# Allegro board RK_EVB7_RK3588_LP4XD200P232SD8_V11_20230111YWQ.brd (continued)
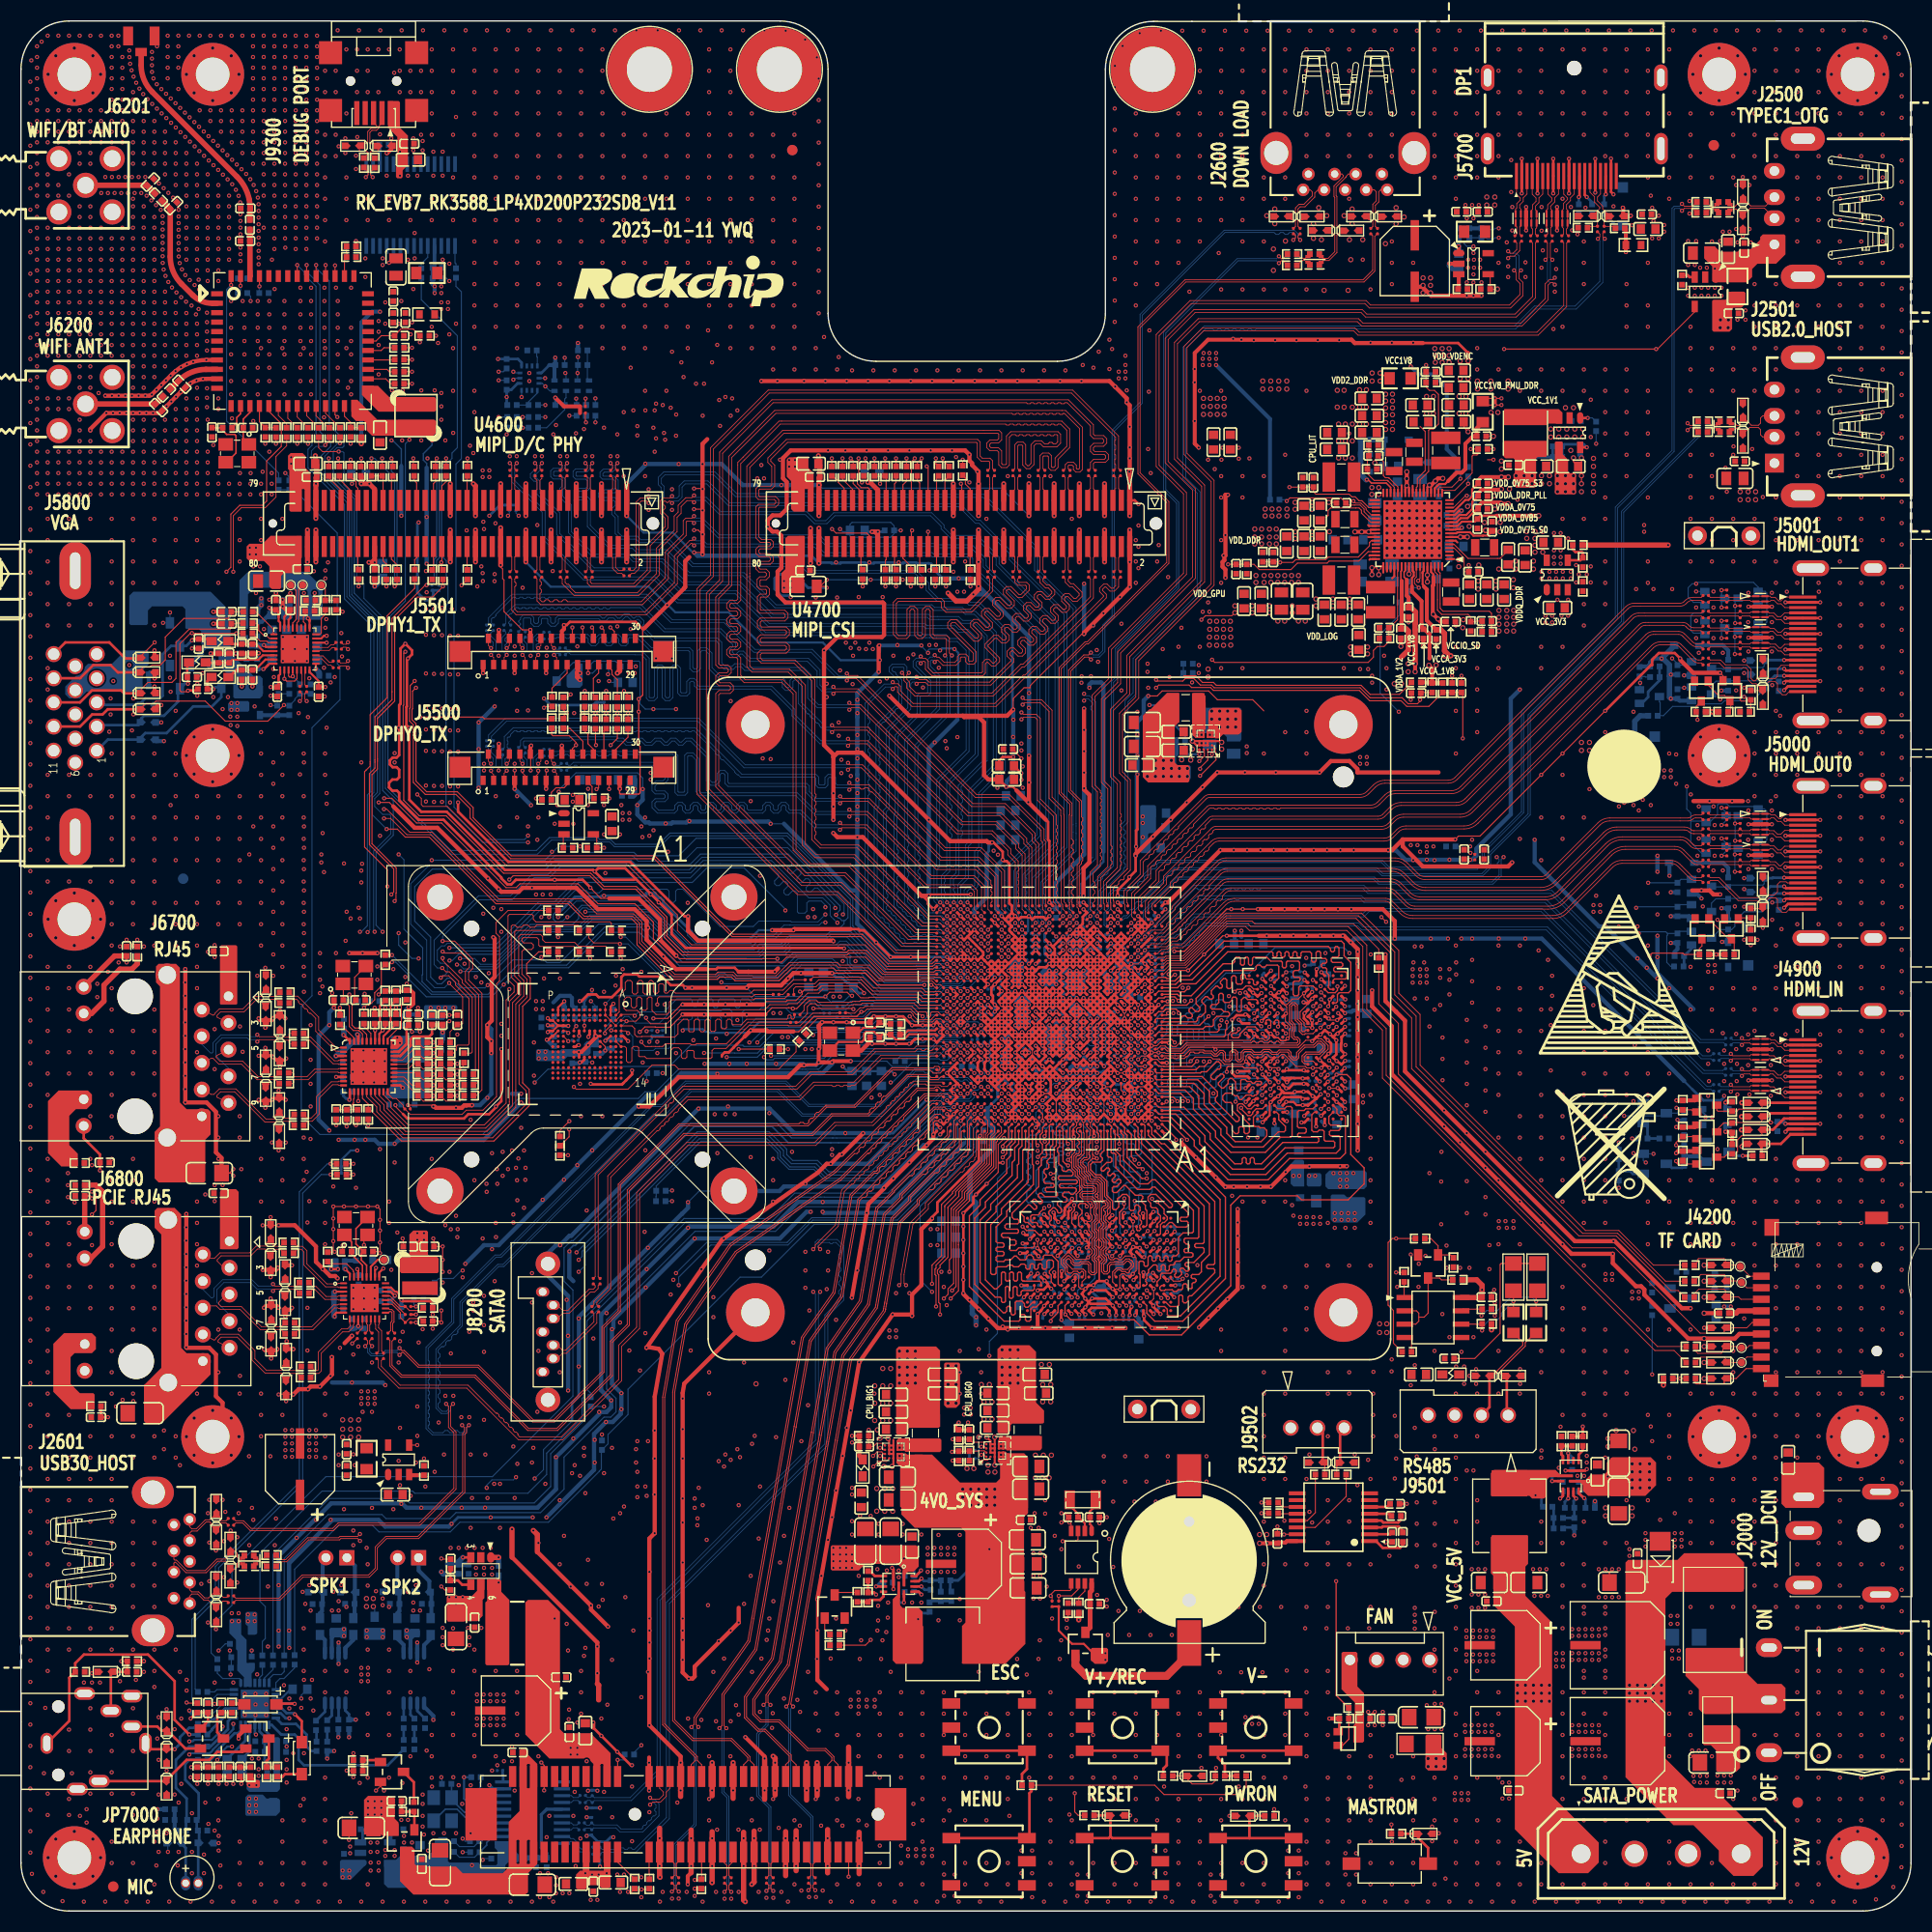
[diagram p0: board, top side]
## Routing (per net, layer and track width the routed paths; a pad name or vN(x,y) marks a point on that pad's centre or on a via; arc(x,y) is an arc through that point) (continued)
v1(146.81,30.99) v1(146.81,28.96) v1(146.81,26.92) v1(146.81,20.83) v1(146.81,18.8) v1(146.81,16.76) v1(146.81,14.73) v1(146.81,12.7) v1(146.81,10.67) v1(146.81,2.54) v1(147.17,179.09) v1(147.35,130.72) v1(147.35,124.88) v1(147.35,123.36) v1(147.61,162.29) v1(147.6,127.55) v1(147.6,126.91) v1(147.73,160.06) v1(147.73,26.84) v1(147.73,26.2) v1(147.73,24.55) v1(147.73,23.92) v1(147.73,17.69) v1(147.73,17.06) v1(147.73,15.41) v1(147.73,14.77) v1(148.11,128.18) v1(148.11,126.53) v1(148.23,159.68) v1(148.23,41.44) v1(148.23,0.89) v1(148.36,127.29) v1(148.36,26.84) v1(148.36,26.2) v1(148.36,24.55) v1(148.36,23.92) v1(148.36,17.69) v1(148.36,17.06) v1(148.36,15.41) v1(148.36,14.77) v1(148.84,177.29) v1(148.84,173.23) v1(148.84,171.2) v1(148.84,169.16) v1(148.84,159) v1(148.84,156.97) v1(148.84,154.94) v1(148.84,146.81) v1(148.84,144.78) v1(148.84,132.59) v1(148.84,124.46) v1(148.84,122.43) v1(148.84,104.14) v1(148.84,87.88) v1(148.84,85.85) v1(148.84,83.82) v1(148.84,81.79) v1(148.84,79.76) v1(148.84,77.72) v1(148.84,75.69) v1(148.84,73.66) v1(148.84,71.63) v1(148.84,69.6) v1(148.84,67.56) v1(148.84,65.53) v1(148.84,61.47) v1(148.84,57.4) v1(148.84,55.37) v1(148.84,53.34) v1(148.84,51.31) v1(148.84,49.28) v1(148.84,47.24) v1(148.87,41.44) v1(148.84,37.08) v1(148.84,33.02) v1(148.84,30.99) v1(148.84,28.96) v1(148.84,28.32) v1(148.84,22.86) v1(148.84,22.23) v1(148.84,20.83) v1(148.84,18.8) v1(148.84,12.7) v1(148.84,10.67) v1(148.84,8.64) v1(148.84,2.54) v1(149,162.22) v1(149,26.84) v1(149,26.2) v1(149,24.55) v1(149,23.92) v1(149,17.69) v1(149,17.06) v1(149,15.41) v1(149,14.77) v1(149.12,127.29) v1(149.12,43.35) v1(149.12,42.71) v1(149.2,179.09) v1(149.5,143.93) v1(149.5,140.38) v1(149.5,128.06) v1(149.5,126.53) v1(149.63,26.84) v1(149.63,26.2) v1(149.63,24.55) v1(149.63,23.92) v1(149.63,17.69) v1(149.63,17.06) v1(149.63,15.41) v1(149.63,14.77) v1(149.74,86.27) v1(150.01,96.69) v1(150.27,32.55) v1(150.27,29.89) v1(150.27,26.84) v1(150.27,26.2) v1(150.27,24.55) v1(150.27,23.92) v1(150.27,17.69) v1(150.27,17.06) v1(150.27,15.41) v1(150.27,14.77) v1(150.26,0.89) v1(150.88,177.29) v1(150.88,175.26) v1(150.88,173.23) v1(150.88,171.2) v1(150.88,169.16) v1(150.88,167.13) v1(150.88,146.81) v1(150.88,144.78) v1(150.88,142.75) v1(150.88,140.72) v1(150.88,138.68) v1(150.88,136.65) v1(150.88,134.62) v1(150.88,132.59) v1(150.88,128.52) v1(150.88,126.49) v1(150.88,124.46) v1(150.88,112.27) v1(150.88,108.2) v1(150.88,85.85) v1(150.88,83.82) v1(150.88,81.79) v1(150.88,79.76) v1(150.88,77.72) v1(150.88,75.69) v1(150.88,73.66) v1(150.88,71.63) v1(150.88,69.6) v1(150.88,67.56) v1(150.88,65.53) v1(150.88,55.37) v1(150.88,53.34) v1(150.88,51.31) v1(150.88,49.28) v1(150.88,47.24) v1(150.88,43.18) v1(150.88,35.05) v1(150.88,28.96) v1(150.88,28.32) v1(150.88,26.92) v1(150.88,26.29) v1(150.88,24.89) v1(150.88,24.26) v1(150.88,22.86) v1(150.88,22.23) v1(150.88,20.83) v1(150.88,18.8) v1(150.88,16.76) v1(150.88,14.73) v1(150.88,12.7) v1(150.88,10.67) v1(150.88,8.64) v1(150.88,6.6) v1(150.88,4.57) v1(150.88,2.54) v1(150.9,29.89) v1(151.24,179.1) v1(151.54,29.89) v1(151.66,162.35) v1(152.17,93.77) v1(152.17,32.55) v1(152.17,29.89) v1(152.29,0.89) v1(152.68,107.48) v1(152.91,177.29) v1(152.91,175.26) v1(152.91,173.23) v1(152.91,171.2) v1(152.91,169.16) v1(152.91,167.13) v1(152.91,154.94) v1(152.91,152.91) v1(152.91,150.88) v1(152.91,146.81) v1(152.91,144.78) v1(152.91,142.75) v1(152.91,140.72) v1(152.91,138.68) v1(152.91,136.65) v1(152.91,79.76) v1(152.91,77.72) v1(152.91,53.34) v1(152.91,51.31) v1(152.91,49.28) v1(152.91,39.12) v1(152.91,35.05) v1(152.91,10.67) v1(152.91,8.64) v1(152.91,2.54) v1(153.19,34.46) v1(153.19,33.82) v1(153.27,179.1) v1(153.82,125.9) v1(153.95,93.77) v1(154.08,104.82) v1(154.32,0.89) v1(154.71,35.98) v1(154.71,35.35) v1(154.71,34.71) v1(154.94,177.29) v1(154.94,175.26) v1(154.94,173.23) v1(154.94,171.2) v1(154.94,169.16) v1(154.94,167.13) v1(154.94,165.1) v1(154.94,156.97) v1(154.94,152.91) v1(154.94,150.88) v1(154.94,144.78) v1(154.94,142.75) v1(154.94,140.72) v1(154.94,138.68) v1(154.94,134.62) v1(154.94,128.52) v1(154.94,126.49) v1(154.94,110.24) v1(154.94,91.95) v1(154.94,81.79) v1(154.94,79.76) v1(154.94,77.72) v1(154.94,67.56) v1(154.94,65.53) v1(154.94,63.5) v1(154.94,55.37) v1(154.94,47.24) v1(154.94,39.12) v1(154.94,8.64) v1(154.94,2.54) v1(155.22,163.36) v1(155.22,105.32) v1(155.3,179.1) v1(155.35,162.22) v1(155.35,159.3) v1(155.47,160.95) v1(155.47,125.9) v1(155.85,96.94) v1(155.85,94.91) v1(155.98,161.46) v1(155.98,159.3) v1(156.35,0.89) v1(156.49,160.57) v1(156.49,159.93) v1(156.97,177.29) v1(156.97,171.2) v1(156.97,165.1) v1(156.97,163.07) v1(156.97,110.24) v1(156.97,87.88) v1(156.97,79.76) v1(156.97,69.6) v1(156.97,67.56) v1(156.97,65.53) v1(156.97,63.5) v1(156.97,55.37) v1(156.97,47.24) v1(156.97,45.21) v1(156.97,43.18) v1(156.97,41.15) v1(156.97,18.8) v1(156.97,16.76) v1(156.97,14.73) v1(156.97,6.6) v1(156.97,4.57) v1(156.97,2.54) v1(157.12,28.11) v1(157.12,27.35) v1(157.25,125.9) v1(157.25,24.81) v1(157.25,24.04) v1(157.33,179.1) v1(157.51,35.98) v1(157.51,35.35) v1(157.51,34.71) v1(157.63,110.15) v1(157.63,107.36) v1(157.76,28.11) v1(157.76,27.35) v1(157.89,24.81) v1(157.89,24.04) v1(158.14,35.98) v1(158.14,35.35) v1(158.14,34.71) v1(158.39,0.89) v1(158.78,159.04) v1(158.78,156.76) v1(158.78,154.6) v1(158.78,153.84) v1(158.9,162.85) v1(158.9,161.66) v1(159,171.2) v1(159,169.16) v1(159,167.13) v1(159,165.1) v1(159,150.88) v1(159,148.84) v1(159,146.81) v1(159,144.78) v1(159,138.68) v1(159,136.65) v1(159,134.62) v1(159,132.59) v1(159,128.52) v1(159,89.92) v1(159,87.88) v1(159,85.85) v1(159,69.6) v1(159,67.56) v1(159,65.53) v1(159,63.5) v1(159,55.37) v1(159,49.28) v1(159,41.15) v1(159,39.12) v1(159,37.08) v1(159,35.05) v1(159,28.96) v1(159,20.83) v1(159,18.8) v1(159,16.76) v1(159,14.73) v1(159,2.54) v1(159.16,15.28) v1(159.28,12.87) v1(159.36,179.1) v1(159.34,12.29) v1(159.41,156.76) v1(159.41,154.6) v1(159.41,153.84) v1(159.54,159.04) v1(159.54,124.15) v1(159.54,122.88) v1(159.54,121.22) v1(159.66,103.42) v1(159.66,100.5) v1(159.79,119.83) v1(159.79,105.2) v1(159.79,102.15) v1(159.79,99.1) v1(159.79,15.28) v1(159.92,156.5) v1(159.92,12.87) v1(159.92,12.23) v1(160.05,154.6) v1(160.05,153.84) v1(160.43,15.28) v1(160.42,0.89) v1(160.55,156.5) v1(160.55,12.87) v1(160.55,12.23) v1(160.68,154.6) v1(160.68,153.84) v1(160.68,81.96) v1(160.68,80.69) v1(160.68,77.63) v1(160.76,79.03) v1(161.04,171.2) v1(161.04,165.1) v1(161.04,159) v1(161.04,148.84) v1(161.04,146.81) v1(161.04,144.78) v1(161.04,138.68) v1(161.04,136.65) v1(161.04,134.62) v1(161.04,132.59) v1(161.04,130.56) v1(161.04,128.52) v1(161.04,87.88) v1(161.04,85.85) v1(161.04,83.82) v1(161.04,69.6) v1(161.04,67.56) v1(161.04,65.53) v1(161.04,63.5) v1(161.04,49.28) v1(161.04,41.15) v1(161.04,39.12) v1(161.04,37.08) v1(161.04,35.05) v1(161.04,28.96) v1(161.04,14.73) v1(161.04,4.57) v1(161.04,2.54) v1(161.19,125.67) v1(161.19,124.15) v1(161.19,122.88) v1(161.19,121.22) v1(161.19,119.83) v1(161.19,105.2) v1(161.19,102.15) v1(161.19,99.1) v1(161.32,154.6) v1(161.32,153.84) v1(161.3,103.42) v1(161.3,100.5) v1(161.4,179.1) v1(161.57,94.4) v1(161.57,72.56) v1(161.57,12.9) v1(161.57,12.23) v1(161.82,159.04) v1(161.82,115.38) v1(161.95,154.6) v1(161.95,153.84) v1(162.08,159.93) v1(162.08,119.83) v1(162.08,99.1) v1(162.08,83.61) v1(162.2,81.96) v1(162.2,80.69) v1(162.2,79.03) v1(162.2,12.9) v1(162.2,12.23) v1(162.33,137.45) v1(162.46,135.17) v1(162.45,0.89) v1(162.71,159.93) v1(162.84,12.9) v1(162.84,12.23) v1(163.07,171.2) v1(163.07,169.16) v1(163.07,167.13) v1(163.07,165.1) v1(163.07,148.84) v1(163.07,146.81) v1(163.07,144.78) v1(163.07,138.68) v1(163.07,132.59) v1(163.07,130.56) v1(163.07,128.52) v1(163.07,87.88) v1(163.07,85.85) v1(163.07,69.6) v1(163.07,67.56) v1(163.07,65.53) v1(163.07,63.5) v1(163.07,53.34) v1(163.07,51.31) v1(163.07,49.28) v1(163.07,41.15) v1(163.07,39.12) v1(163.07,37.08) v1(163.07,35.05) v1(163.07,28.96) v1(163.07,10.67) v1(163.07,2.54) v1(163.09,139.49) v1(163.22,95.67) v1(163.35,164.38) v1(163.35,160.19) v1(163.35,116.25) v1(163.35,83.53) v1(163.35,82.08) v1(163.43,179.1) v1(163.47,158.92) v1(163.47,151.55) v1(163.43,80.69) v1(163.4,79.03) v1(163.46,77.76) v1(163.47,11.47) v1(163.98,165.14) v1(163.98,159.55) v1(164.11,117.9) v1(164.11,115.64) v1(164.11,92.5) v1(164.11,56.43) v1(164.24,152.44) v1(164.24,151.55) v1(164.49,122.75) v1(164.49,105.7) v1(164.49,102.02) v1(164.49,83.48) v1(164.49,80.56) v1(164.48,0.89) v1(164.52,125.54) v1(164.52,119.95) v1(164.52,104.82) v1(164.52,99.23) v1(164.62,164.38) v1(164.62,160.19) v1(164.62,77.76) v1(164.74,158.92) v1(164.74,91.99) v1(164.87,139.23) v1(165.1,177.29) v1(165.1,175.26) v1(165.1,173.23) v1(165.1,171.2) v1(165.1,169.16) v1(165.1,167.13) v1(165.1,165.1) v1(165.1,154.94) v1(165.1,152.91) v1(165.1,150.88) v1(165.1,148.84) v1(165.1,146.81) v1(165.1,144.78) v1(165.1,132.59) v1(165.1,128.52) v1(165.1,112.27) v1(165.1,110.24) v1(165.1,108.2) v1(165.1,106.17) v1(165.1,87.88) v1(165.1,85.85) v1(165.1,83.82) v1(165.1,69.6) v1(165.1,67.56) v1(165.1,65.53) v1(165.1,63.5) v1(165.1,61.47) v1(165.1,49.28) v1(165.1,47.24) v1(165.1,45.21) v1(165.1,43.18) v1(165.1,41.15) v1(165.1,39.12) v1(165.1,37.08) v1(165.1,35.05) v1(165.1,33.02) v1(165.1,30.99) v1(165.1,28.96) v1(165.1,16.76) v1(165.1,12.7) v1(165.1,10.67) v1(165.1,8.64) v1(165.1,2.54) v1(165.38,92.5) v1(165.46,179.1) v1(165.89,134.66) v1(165.89,93.64) v1(166.51,0.89) v1(166.65,105.7) v1(166.65,80.56) v1(166.65,77.64) v1(166.75,125.54) v1(166.75,122.75) v1(166.75,119.95) v1(166.75,104.82) v1(166.75,102.02) v1(166.75,99.23) v1(166.78,94.4) v1(166.78,83.48) v1(167.13,177.29) v1(167.13,175.26) v1(167.13,173.23) v1(167.13,171.2) v1(167.13,169.16) v1(167.13,167.13) v1(167.13,154.94) v1(167.13,152.91) v1(167.13,150.88) v1(167.13,148.84) v1(167.13,146.81) v1(167.13,134.62) v1(167.13,132.59) v1(167.13,130.56) v1(167.13,128.52) v1(167.13,126.49) v1(167.13,114.3) v1(167.13,112.27) v1(167.13,110.24) v1(167.13,108.2) v1(167.13,106.17) v1(167.13,91.95) v1(167.13,89.92) v1(167.13,87.88) v1(167.13,85.85) v1(167.13,71.63) v1(167.13,69.6) v1(167.13,67.56) v1(167.13,63.5) v1(167.13,61.47) v1(167.13,59.44) v1(167.13,57.4) v1(167.13,55.37) v1(167.13,53.34) v1(167.13,51.31) v1(167.13,49.28) v1(167.13,47.24) v1(167.13,45.21) v1(167.13,43.18) v1(167.13,41.15) v1(167.13,39.12) v1(167.13,37.08) v1(167.13,35.05) v1(167.13,33.02) v1(167.13,30.99) v1(167.13,28.96) v1(167.13,16.76) v1(167.13,12.7) v1(167.13,10.67) v1(167.13,8.64) v1(167.13,6.6) v1(167.13,4.57) v1(167.13,2.54) v1(167.49,179.11) v1(167.54,113.83) v1(167.67,93.51) v1(168.05,83.49) v1(168.17,125.64) v1(168.55,0.89) v1(169.16,177.29) v1(169.16,175.26) v1(169.16,173.23) v1(169.16,171.2) v1(169.16,167.13) v1(169.16,165.1) v1(169.16,163.07) v1(169.16,161.04) v1(169.16,159) v1(169.16,152.91) v1(169.16,150.88) v1(169.16,144.78) v1(169.16,142.75) v1(169.16,140.72) v1(169.16,138.68) v1(169.16,136.65) v1(169.16,132.59) v1(169.16,130.56) v1(169.16,126.49) v1(169.16,112.27) v1(169.16,110.24) v1(169.16,108.2) v1(169.16,93.98) v1(169.16,89.92) v1(169.16,87.88) v1(169.16,83.82) v1(169.16,69.6) v1(169.16,67.56) v1(169.16,65.53) v1(169.16,63.5) v1(169.16,61.47) v1(169.16,59.44) v1(169.16,57.4) v1(169.16,55.37) v1(169.16,53.34) v1(169.16,51.31) v1(169.16,49.28) v1(169.16,47.24) v1(169.16,45.21) v1(169.16,43.18) v1(169.16,33.02) v1(169.16,28.96) v1(169.16,26.92) v1(169.16,24.89) v1(169.16,22.86) v1(169.16,20.83) v1(169.16,18.8) v1(169.16,16.76) v1(169.16,14.73) v1(169.16,12.7) v1(169.16,8.64) v1(169.16,6.6) v1(169.16,4.57) v1(169.16,2.54) v1(169.52,179.11) v1(170.58,0.89) v1(171.2,177.29) v1(171.2,175.26) v1(171.2,173.23) v1(171.2,171.2) v1(171.2,167.13) v1(171.2,165.1) v1(171.2,163.07) v1(171.2,161.04) v1(171.2,159) v1(171.2,152.91) v1(171.2,150.88) v1(171.2,144.78) v1(171.2,142.75) v1(171.2,140.72) v1(171.2,138.68) v1(171.2,136.65) v1(171.2,132.59) v1(171.2,130.56) v1(171.2,126.49) v1(171.22,125.64) v1(171.2,112.27) v1(171.2,110.24) v1(171.2,93.98) v1(171.2,89.92) v1(171.2,87.88) v1(171.2,69.6) v1(171.2,67.56) v1(171.2,65.53) v1(171.2,63.5) v1(171.2,61.47) v1(171.2,59.44) v1(171.2,57.4) v1(171.2,55.37) v1(171.2,53.34) v1(171.2,51.31) v1(171.2,49.28) v1(171.2,47.24) v1(171.2,45.21) v1(171.2,43.18) v1(171.2,35.05) v1(171.2,33.02) v1(171.2,28.96) v1(171.2,26.92) v1(171.2,24.89) v1(171.2,22.86) v1(171.2,20.83) v1(171.2,18.8) v1(171.2,16.76) v1(171.2,14.73) v1(171.2,12.7) v1(171.2,10.67) v1(171.2,8.64) v1(171.2,6.6) v1(171.2,4.57) v1(171.2,2.54) v1(171.35,83.49) v1(171.56,179.11) v1(172.61,0.89) v1(173.23,171.2) v1(173.23,169.16) v1(173.23,167.13) v1(173.23,165.1) v1(173.23,163.07) v1(173.23,161.04) v1(173.23,159) v1(173.23,156.97) v1(173.23,154.94) v1(173.23,152.91) v1(173.23,150.88) v1(173.23,148.84) v1(173.23,146.81) v1(173.23,144.78) v1(173.23,142.75) v1(173.23,140.72) v1(173.23,138.68) v1(173.23,136.65) v1(173.23,134.62) v1(173.23,132.59) v1(173.23,130.56) v1(173.23,128.52) v1(173.23,126.49) v1(173.23,124.46) v1(173.23,122.43) v1(173.23,120.4) v1(173.23,118.36) v1(173.23,116.33) v1(173.23,114.3) v1(173.23,112.27) v1(173.23,110.24) v1(173.23,108.2) v1(173.23,106.17) v1(173.23,104.14) v1(173.23,102.11) v1(173.23,100.08) v1(173.23,98.04) v1(173.23,96.01) v1(173.23,93.98) v1(173.23,91.95) v1(173.23,89.92) v1(173.23,87.88) v1(173.23,85.85) v1(173.23,83.82) v1(173.23,81.79) v1(173.23,79.76) v1(173.23,77.72) v1(173.23,75.69) v1(173.23,73.66) v1(173.23,71.63) v1(173.23,69.6) v1(173.23,67.56) v1(173.23,65.53) v1(173.23,63.5) v1(173.23,61.47) v1(173.23,59.44) v1(173.23,57.4) v1(173.23,55.37) v1(173.23,53.34) v1(173.23,51.31) v1(173.23,49.28) v1(173.23,41.15) v1(173.23,39.12) v1(173.23,37.08) v1(173.23,35.05) v1(173.23,33.02) v1(173.23,30.99) v1(173.23,28.96) v1(173.23,26.92) v1(173.23,24.89) v1(173.23,22.86) v1(173.23,20.83) v1(173.23,18.8) v1(173.23,16.76) v1(173.23,14.73) v1(173.23,12.7) v1(173.23,10.67) v1(173.23,8.64) v1(173.59,179.11) v1(174.64,0.89) v1(175.26,171.2) v1(175.26,169.16) v1(175.26,167.13) v1(175.26,165.1) v1(175.26,163.07) v1(175.26,161.04) v1(175.26,159) v1(175.26,156.97) v1(175.26,154.94) v1(175.26,152.91) v1(175.26,150.88) v1(175.26,148.84) v1(175.26,146.81) v1(175.26,144.78) v1(175.26,142.75) v1(175.26,140.72) v1(175.26,138.68) v1(175.26,136.65) v1(175.26,134.62) v1(175.26,132.59) v1(175.26,130.56) v1(175.26,126.49) v1(175.26,124.46) v1(175.26,122.43) v1(175.26,120.4) v1(175.26,118.36) v1(175.26,116.33) v1(175.26,112.27) v1(175.26,110.24) v1(175.26,108.2) v1(175.26,106.17) v1(175.26,104.14) v1(175.26,102.11) v1(175.26,100.08) v1(175.26,98.04) v1(175.26,96.01) v1(175.26,93.98) v1(175.26,89.92) v1(175.26,87.88) v1(175.26,83.82) v1(175.26,81.79) v1(175.26,79.76) v1(175.26,77.72) v1(175.26,75.69) v1(175.26,73.66) v1(175.26,69.6) v1(175.26,67.56) v1(175.26,65.53) v1(175.26,63.5) v1(175.26,61.47) v1(175.26,59.44) v1(175.26,57.4) v1(175.26,55.37) v1(175.26,53.34) v1(175.26,51.31) v1(175.26,49.28) v1(175.26,41.15) v1(175.26,33.02) v1(175.26,28.96) v1(175.26,26.92) v1(175.26,24.89) v1(175.26,22.86) v1(175.26,20.83) v1(175.26,18.8) v1(175.26,16.76) v1(175.26,14.73) v1(175.26,12.7) v1(175.26,10.67) v1(175.26,8.64) v1(175.62,179.11) v1(176.66,1.1) v1(177.29,171.2) v1(177.29,169.16) v1(177.29,167.13) v1(177.29,165.1) v1(177.29,163.07) v1(177.29,161.04) v1(177.29,159) v1(177.29,156.97) v1(177.29,154.94) v1(177.29,152.91) v1(177.29,150.88) v1(177.29,148.84) v1(177.29,146.81) v1(177.29,144.78) v1(177.29,142.75) v1(177.29,140.72) v1(177.29,138.68) v1(177.29,136.65) v1(177.29,134.62) v1(177.29,132.59) v1(177.29,130.56) v1(177.29,126.49) v1(177.29,124.46) v1(177.29,122.43) v1(177.29,120.4) v1(177.29,118.36) v1(177.29,116.33) v1(177.29,112.27) v1(177.29,110.24) v1(177.29,108.2) v1(177.29,106.17) v1(177.29,104.14) v1(177.29,102.11) v1(177.29,100.08) v1(177.29,98.04) v1(177.29,96.01) v1(177.29,93.98) v1(177.29,89.92) v1(177.29,87.88) v1(177.29,83.82) v1(177.29,81.79) v1(177.29,79.76) v1(177.29,77.72) v1(177.29,75.69) v1(177.29,73.66) v1(177.29,69.6) v1(177.29,67.56) v1(177.29,63.5) v1(177.29,59.44) v1(177.29,57.4) v1(177.29,55.37) v1(177.29,51.31) v1(177.29,49.28) v1(177.29,41.15) v1(177.29,33.02) v1(177.29,28.96) v1(177.29,26.92) v1(177.29,24.89) v1(177.29,22.86) v1(177.29,20.83) v1(177.29,18.8) v1(177.29,16.76) v1(177.29,14.73) v1(177.29,12.7) v1(177.29,10.67) v1(177.29,8.64) v1(177.54,178.44) v1(178.32,2.29) v1(178.82,176.86) v1(179.09,4.17) v1(179.11,174.85) v1(179.11,172.82) v1(179.11,170.79) v1(179.11,168.76) v1(179.11,166.73) v1(179.11,164.69) v1(179.11,162.66) v1(179.11,160.63) v1(179.11,158.6) v1(179.11,154.53) v1(179.11,152.5) v1(179.11,150.47) v1(179.11,148.44) v1(179.11,146.41) v1(179.11,144.37) v1(179.11,142.34) v1(179.11,140.31) v1(179.11,138.28) v1(179.11,136.25) v1(179.11,134.21) v1(179.11,132.18) v1(179.11,130.15) v1(179.11,128.12) v1(179.11,126.09) v1(179.11,124.05) v1(179.11,122.02) v1(179.11,119.99) v1(179.11,117.96) v1(179.11,115.93) v1(179.11,113.89) v1(179.11,111.86) v1(179.11,109.83) v1(179.11,107.8) v1(179.11,105.77) v1(179.11,103.73) v1(179.11,101.7) v1(179.11,99.67) v1(179.11,97.64) v1(179.11,95.61) v1(179.11,93.57) v1(179.11,91.54) v1(179.11,89.51) v1(179.11,87.48) v1(179.11,85.45) v1(179.11,83.41) v1(179.11,81.38) v1(179.11,79.35) v1(179.11,77.32) v1(179.11,75.29) v1(179.11,73.25) v1(179.11,71.22) v1(179.11,69.19) v1(179.11,67.16) v1(179.11,65.13) v1(179.11,63.09) v1(179.11,61.06) v1(179.11,59.03) v1(179.11,57) v1(179.11,54.97) v1(179.11,52.93) v1(179.11,50.9) v1(179.11,48.87) v1(179.11,46.84) v1(179.11,44.81) v1(179.11,42.77) v1(179.11,40.74) v1(179.11,38.71) v1(179.11,36.68) v1(179.11,34.65) v1(179.11,32.61) v1(179.11,30.58) v1(179.11,28.55) v1(179.11,26.52) v1(179.11,24.49) v1(179.11,22.45) v1(179.11,20.42) v1(179.11,18.39) v1(179.11,16.36) v1(179.11,14.33) v1(179.11,12.29) v1(179.11,10.26) v1(179.11,8.23) v1(179.11,6.2) v2(2.58,174.92) v2(2.58,94.45) v2(2.58,5.08) v2(3.31,176.69) v2(3.31,173.15) v2(3.31,96.22) v2(3.31,92.68) v2(3.31,6.85) v2(3.31,3.31) v2(5.08,177.42) v2(5.08,172.42) v2(5.08,96.95) v2(5.08,91.95) v2(5.08,7.58) v2(5.08,2.58) v2(6.85,176.69) v2(6.85,173.15) v2(6.85,96.22) v2(6.85,92.68) v2(6.85,6.85) v2(6.85,3.31) v2(7.58,174.92) v2(7.58,94.45) v2(7.58,5.08) v2(15.76,174.92) v2(15.76,110.05) v2(15.76,45.18) v2(16.49,176.69) v2(16.49,173.15) v2(16.49,111.82) v2(16.49,108.28) v2(16.49,46.94) v2(16.49,43.41) v2(18.26,177.42) v2(18.26,172.42) v2(18.26,112.55) v2(18.26,107.55) v2(18.26,47.68) v2(18.26,42.68) v2(20.02,176.69) v2(20.02,173.15) v2(20.02,111.82) v2(20.02,108.28) v2(20.02,46.94) v2(20.02,43.41) v2(20.76,174.92) v2(20.76,110.05) v2(20.76,45.18) v2(81.31,50.02) v2(81.31,48.36) v2(81.31,46.71) v2(81.56,45.82) v2(81.5,40.24) v2(81.5,38.08) v2(81.81,45.02) v2(82.07,51.67) v2(82.07,50.02) v2(82.07,48.36) v2(82.07,46.71) v2(82.19,42.33) v2(82.26,40.24) v2(82.26,38.08) v2(82.83,51.67) v2(82.83,50.02) v2(82.83,48.36) v2(82.83,46.71) v2(83.02,40.24) v2(83.02,38.08) v2(88.29,51.92) v2(88.29,50.14) v2(88.29,48.36) v2(89.05,51.92) v2(89.05,50.14) v2(89.05,48.36) v2(90.09,42.14) v2(90.75,42.14) v2(91.21,45.13) v2(91.47,50.14) v2(91.72,48.49) v2(91.72,46.84) v2(92.1,42.46) v2(92.1,41.81) v2(92.23,50.14) v2(92.48,48.49) v2(92.48,46.84) v2(92.75,41.81) v2(96.61,43.41) v2(96.61,41.25) v2(97.18,52.05) v2(97.26,41.25) v2(97.31,50.14) v2(97.31,48.49) v2(97.37,43.41) v2(97.94,52.05) v2(97.92,41.25) v2(98.07,50.14) v2(98.07,48.49) v2(98.13,43.41) v2(110.54,109.64) v2(111.4,109.61) v2(111.56,110.66) v2(114.35,110.65) v2(115.61,124.3) v2(117.26,124.3) v2(117.26,123.65) v2(118.64,161.46) v2(118.91,124.3) v2(118.91,123.65) v2(119.28,158.28) v2(119.28,156.25) v2(119.41,162.09) v2(119.41,160.7) v2(119.7,122.85) v2(120.35,122.85) v2(120.42,159.04) v2(121.07,124.3) v2(121.07,123.65) v2(121.34,134.15) v2(121.34,133.5) v2(121.34,131.36) v2(121.34,130.71) v2(121.66,122.85) v2(122.31,122.85) v2(122.95,134.15) v2(122.95,133.5) v2(122.95,131.36) v2(122.95,130.71) v2(123.09,160.7) v2(123.09,159.3) v2(123.33,124.95) v2(123.33,124.3) v2(123.6,162.22) v2(123.85,159.17) v2(124.1,154.35) v2(124.36,161.46) v2(124.61,131.36) v2(124.94,124.95) v2(124.94,124.3) v2(125.36,144.83) v2(125.36,143.22) v2(125.48,141.61) v2(125.48,140) v2(125.48,138.38) v2(126.01,161.46) v2(126.01,144.83) v2(126.01,143.22) v2(126.14,141.61) v2(126.14,140) v2(126.14,138.38) v2(126.39,154.35) v2(126.52,159.17) v2(126.55,124.95) v2(126.55,124.3) v2(126.64,157.27) v2(126.63,120.38) v2(126.63,119.73) v2(126.77,162.09) v2(126.77,160.7) v2(126.79,143.22) v2(126.79,141.61) v2(126.79,140) v2(126.79,138.38) v2(127.48,144.88) v2(127.48,143.23) v2(127.48,141.61) v2(127.79,159.17) v2(128.14,144.88) v2(128.14,143.23) v2(128.14,141.61) v2(128.24,120.38) v2(128.24,119.73) v2(129.95,158.79) v2(130.1,134.07) v2(130.1,133.36) v2(130.1,132.65) v2(130.1,131.94) v2(130.1,131.22) v2(130.1,130.51) v2(130.1,129.8) v2(130.1,129.09) v2(130.81,134.07) v2(130.81,133.36) v2(130.81,132.65) v2(130.81,131.94) v2(130.81,131.22) v2(130.81,130.51) v2(130.81,129.8) v2(130.81,129.09) v2(130.96,162.22) v2(130.96,160.7) v2(131.52,134.07) v2(131.52,133.36) v2(131.52,132.65) v2(131.52,131.94) v2(131.52,131.22) v2(131.52,130.51) v2(131.52,129.8) v2(131.52,129.09) v2(131.72,161.33) v2(132.23,134.07) v2(132.23,133.36) v2(132.23,132.65) v2(132.23,131.94) v2(132.23,131.22) v2(132.23,130.51) v2(132.23,129.8) v2(132.23,129.09) v2(132.94,134.07) v2(132.94,133.36) v2(132.94,132.65) v2(132.94,131.94) v2(132.94,131.22) v2(132.94,130.51) v2(132.94,129.8) v2(132.94,129.09) v2(133.53,155.53) v2(133.53,154.82) v2(133.53,154.11) v2(133.65,134.07) v2(133.65,133.36) v2(133.65,132.65) v2(133.65,131.94) v2(133.65,131.22) v2(133.65,130.51) v2(133.65,129.8) v2(133.65,129.09) v2(133.87,144.24) v2(133.87,142.63) v2(134.24,155.53) v2(134.24,154.82) v2(134.24,154.11) v2(134.37,134.07) v2(134.37,133.36) v2(134.37,132.65) v2(134.37,131.94) v2(134.37,131.22) v2(134.37,130.51) v2(134.37,129.8) v2(134.37,129.09) v2(134.52,144.24) v2(134.52,142.63) v2(135.08,134.07) v2(135.08,133.36) v2(135.08,132.65) v2(135.08,131.94) v2(135.08,131.22) v2(135.08,130.51) v2(135.08,129.8) v2(135.08,129.09) v2(136.96,144.24) v2(136.96,142.63) v2(137.06,147.61) v2(137.06,145.96) v2(137.36,122.98) v2(137.31,122.21) v2(137.61,144.24) v2(137.61,142.63) v2(137.82,145.96) v2(138.71,145.71) v2(138.71,144.95) v2(138.79,126.66) v2(138.79,125.9) v2(138.84,128.18) v2(139.98,145.71) v2(139.98,144.95) v2(140,142.72) v2(140.36,135.96) v2(140.29,134.79) v2(140.36,133.52) v2(140.47,126.66) v2(140.47,125.9) v2(140.66,142.72) v2(140.74,127.8) v2(140.87,132.25) v2(141,138.09) v2(141,137.33) v2(141.63,145.71) v2(141.63,144.95) v2(142.13,126.79) v2(142.13,126.02) v2(142.33,128.56) v2(142.33,127.8) v2(144.04,128.56) v2(144.04,127.8) v2(144.81,136.69) v2(144.81,135.93) v2(145.57,136.69) v2(145.57,135.93) v2(145.69,141.14) v2(145.69,140.38) v2(146.46,141.14) v2(146.46,140.38) v2(147.09,143.17) v2(147.22,141.14) v2(147.22,140.38) v2(147.6,139.11) v2(147.85,143.17) v2(147.98,141.14) v2(147.98,140.38) v2(148.62,135.17) v2(148.74,141.14) v2(148.74,140.38) v2(149.76,138.34) v2(149.76,137.58) v2(149.76,136.69) v2(149.76,135.93) v2(149.76,135.17) v2(150.9,38.39) v2(150.9,37.63) v2(151.16,45) v2(151.16,44.24) v2(151.92,45.76) v2(153.44,38.39) v2(153.44,37.63) v2(153.57,45.76) v2(153.7,43.98) v2(159.23,174.92) v2(159.23,110.05) v2(159.23,45.18) v2(159.96,176.69) v2(159.96,173.15) v2(159.96,111.82) v2(159.96,108.28) v2(159.96,46.94) v2(159.96,43.41) v2(161.73,177.42) v2(161.73,172.42) v2(161.73,112.55) v2(161.73,107.55) v2(161.73,47.68) v2(161.73,42.68) v2(163.49,176.69) v2(163.49,173.15) v2(163.49,111.82) v2(163.49,108.28) v2(163.49,46.94) v2(163.49,43.41) v2(164.23,174.92) v2(164.23,110.05) v2(164.23,45.18) v2(172.42,174.92) v2(172.42,45.18) v2(172.42,5.08) v2(173.15,176.69) v2(173.15,173.15) v2(173.15,46.94) v2(173.15,43.41) v2(173.15,6.85) v2(173.15,3.31) v2(174.92,177.42) v2(174.92,172.42) v2(174.92,47.68) v2(174.92,42.68) v2(174.92,7.58) v2(174.92,2.58) v2(176.69,176.69) v2(176.69,173.15) v2(176.69,46.94) v2(176.69,43.41) v2(176.69,6.85) v2(176.69,3.31) v2(177.42,174.92) v2(177.42,45.18) v2(177.42,5.08)
